# KiCad board sss-opr3-v1 (1).kicad_pcb
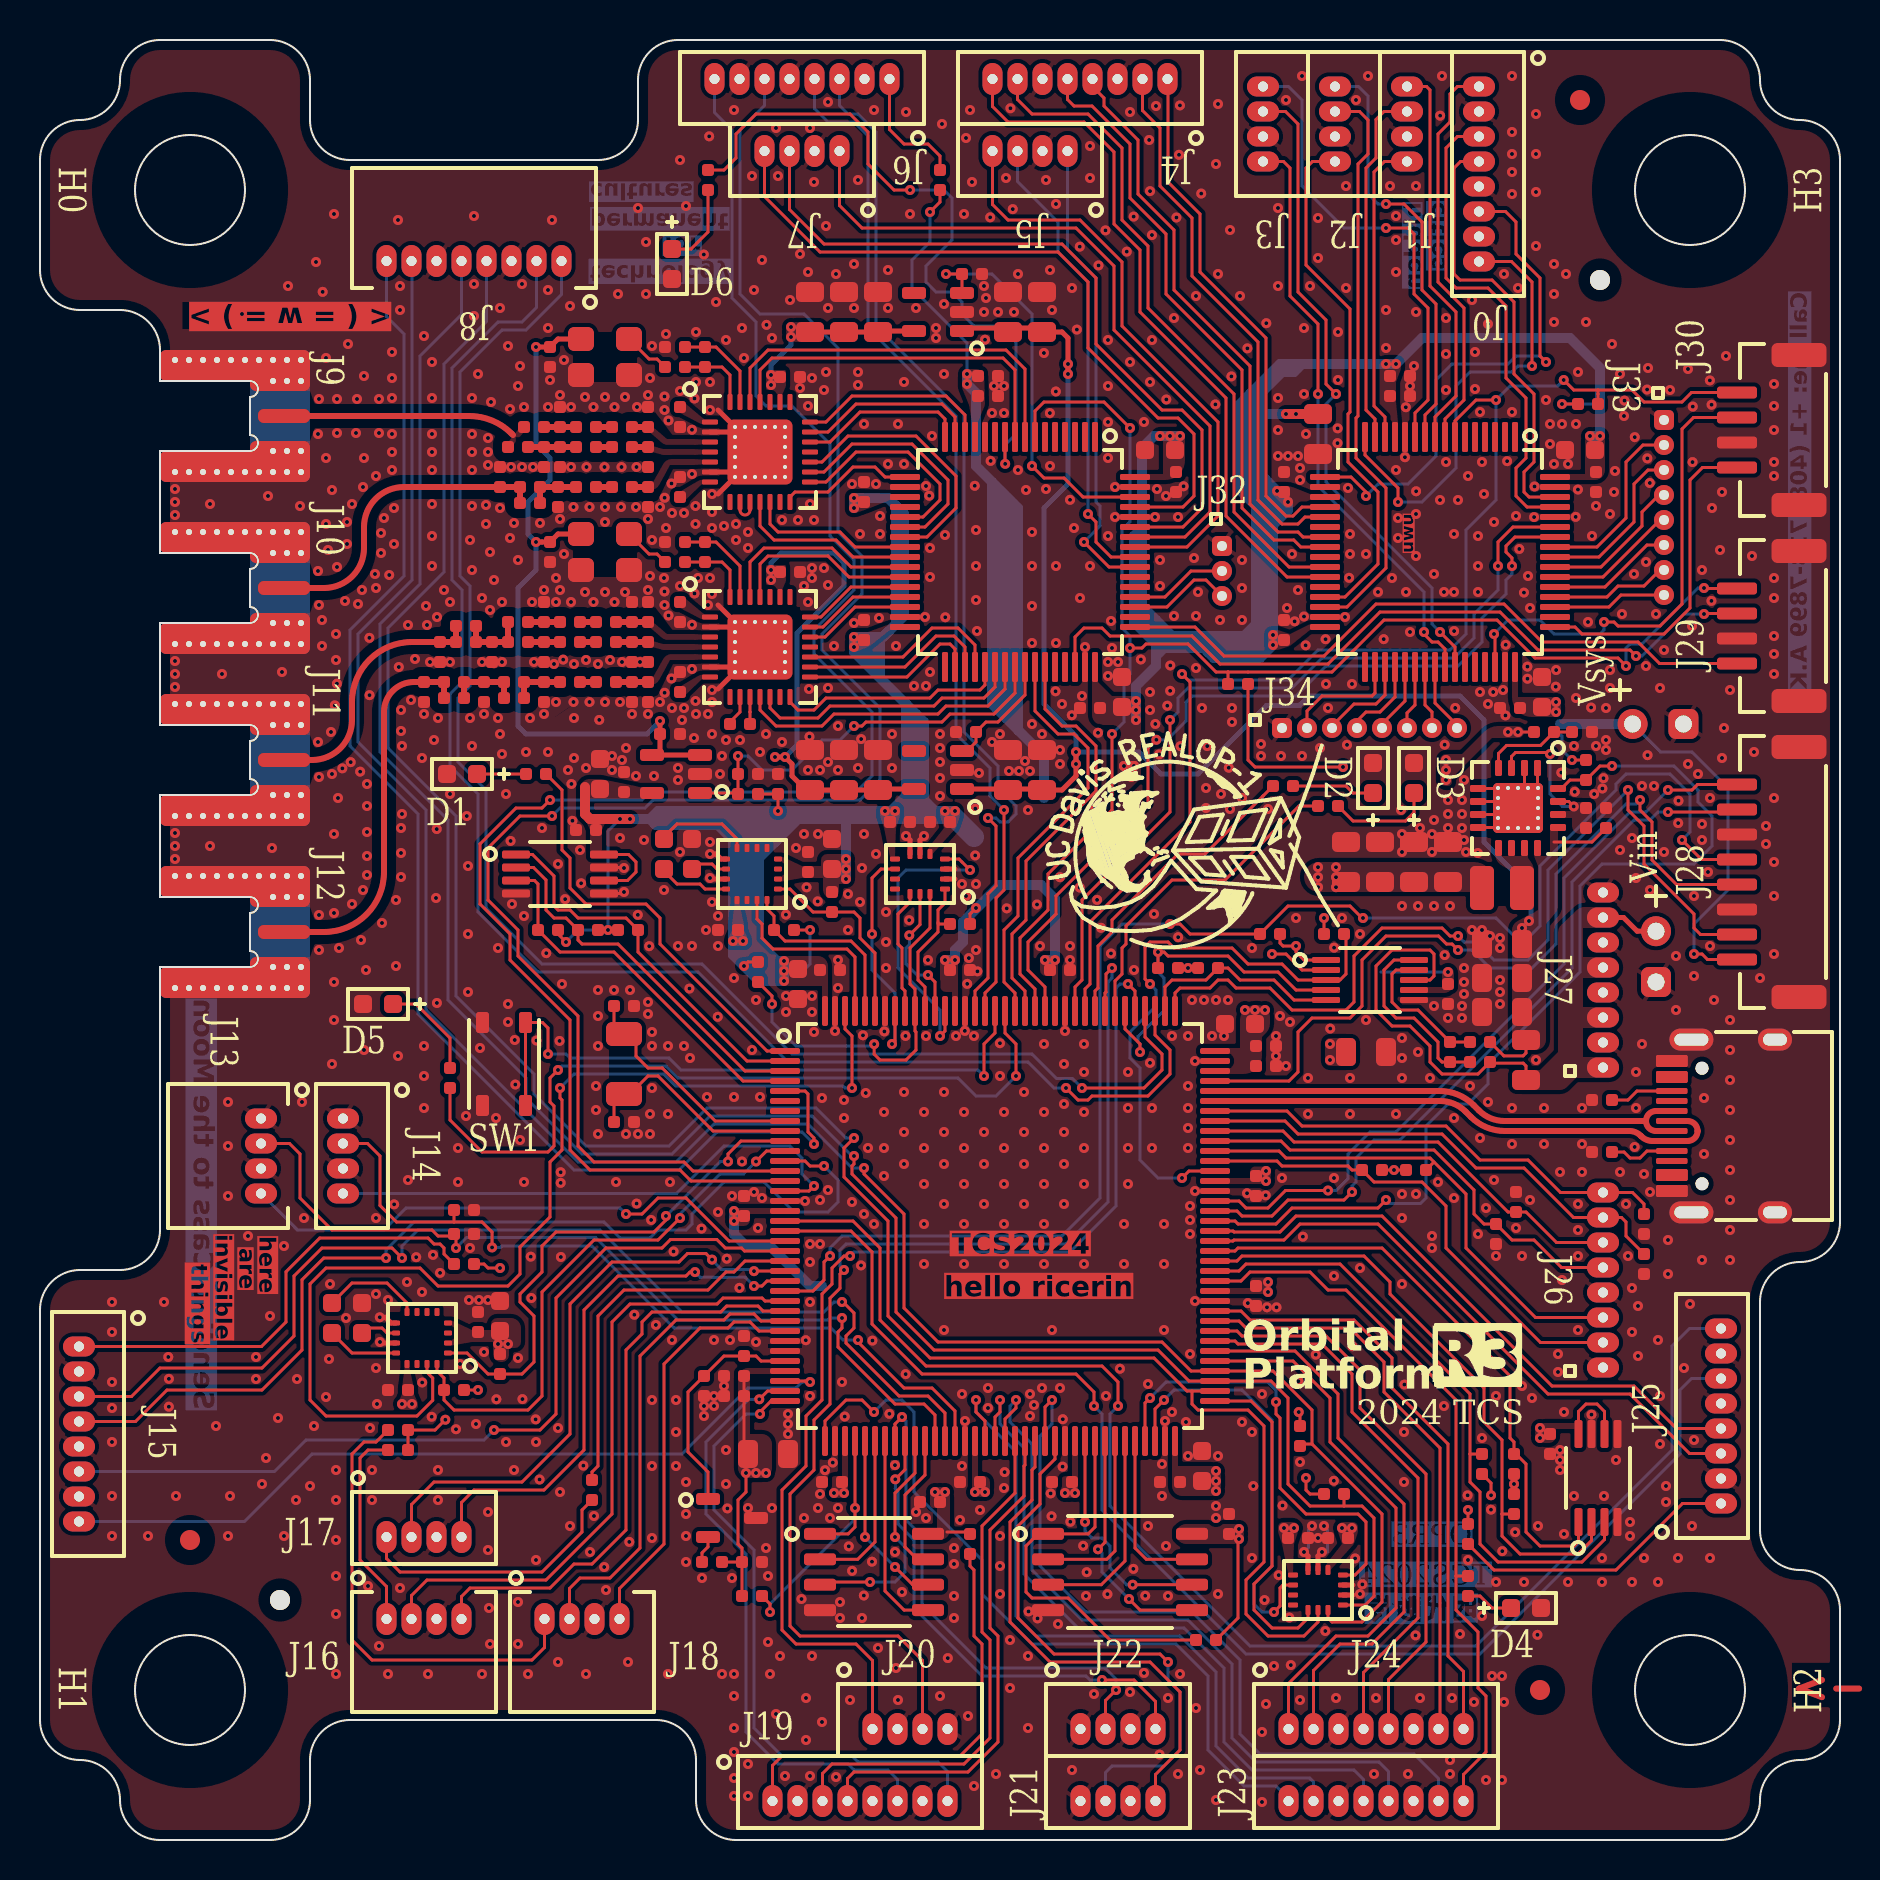
[diagram p0: board, top side]
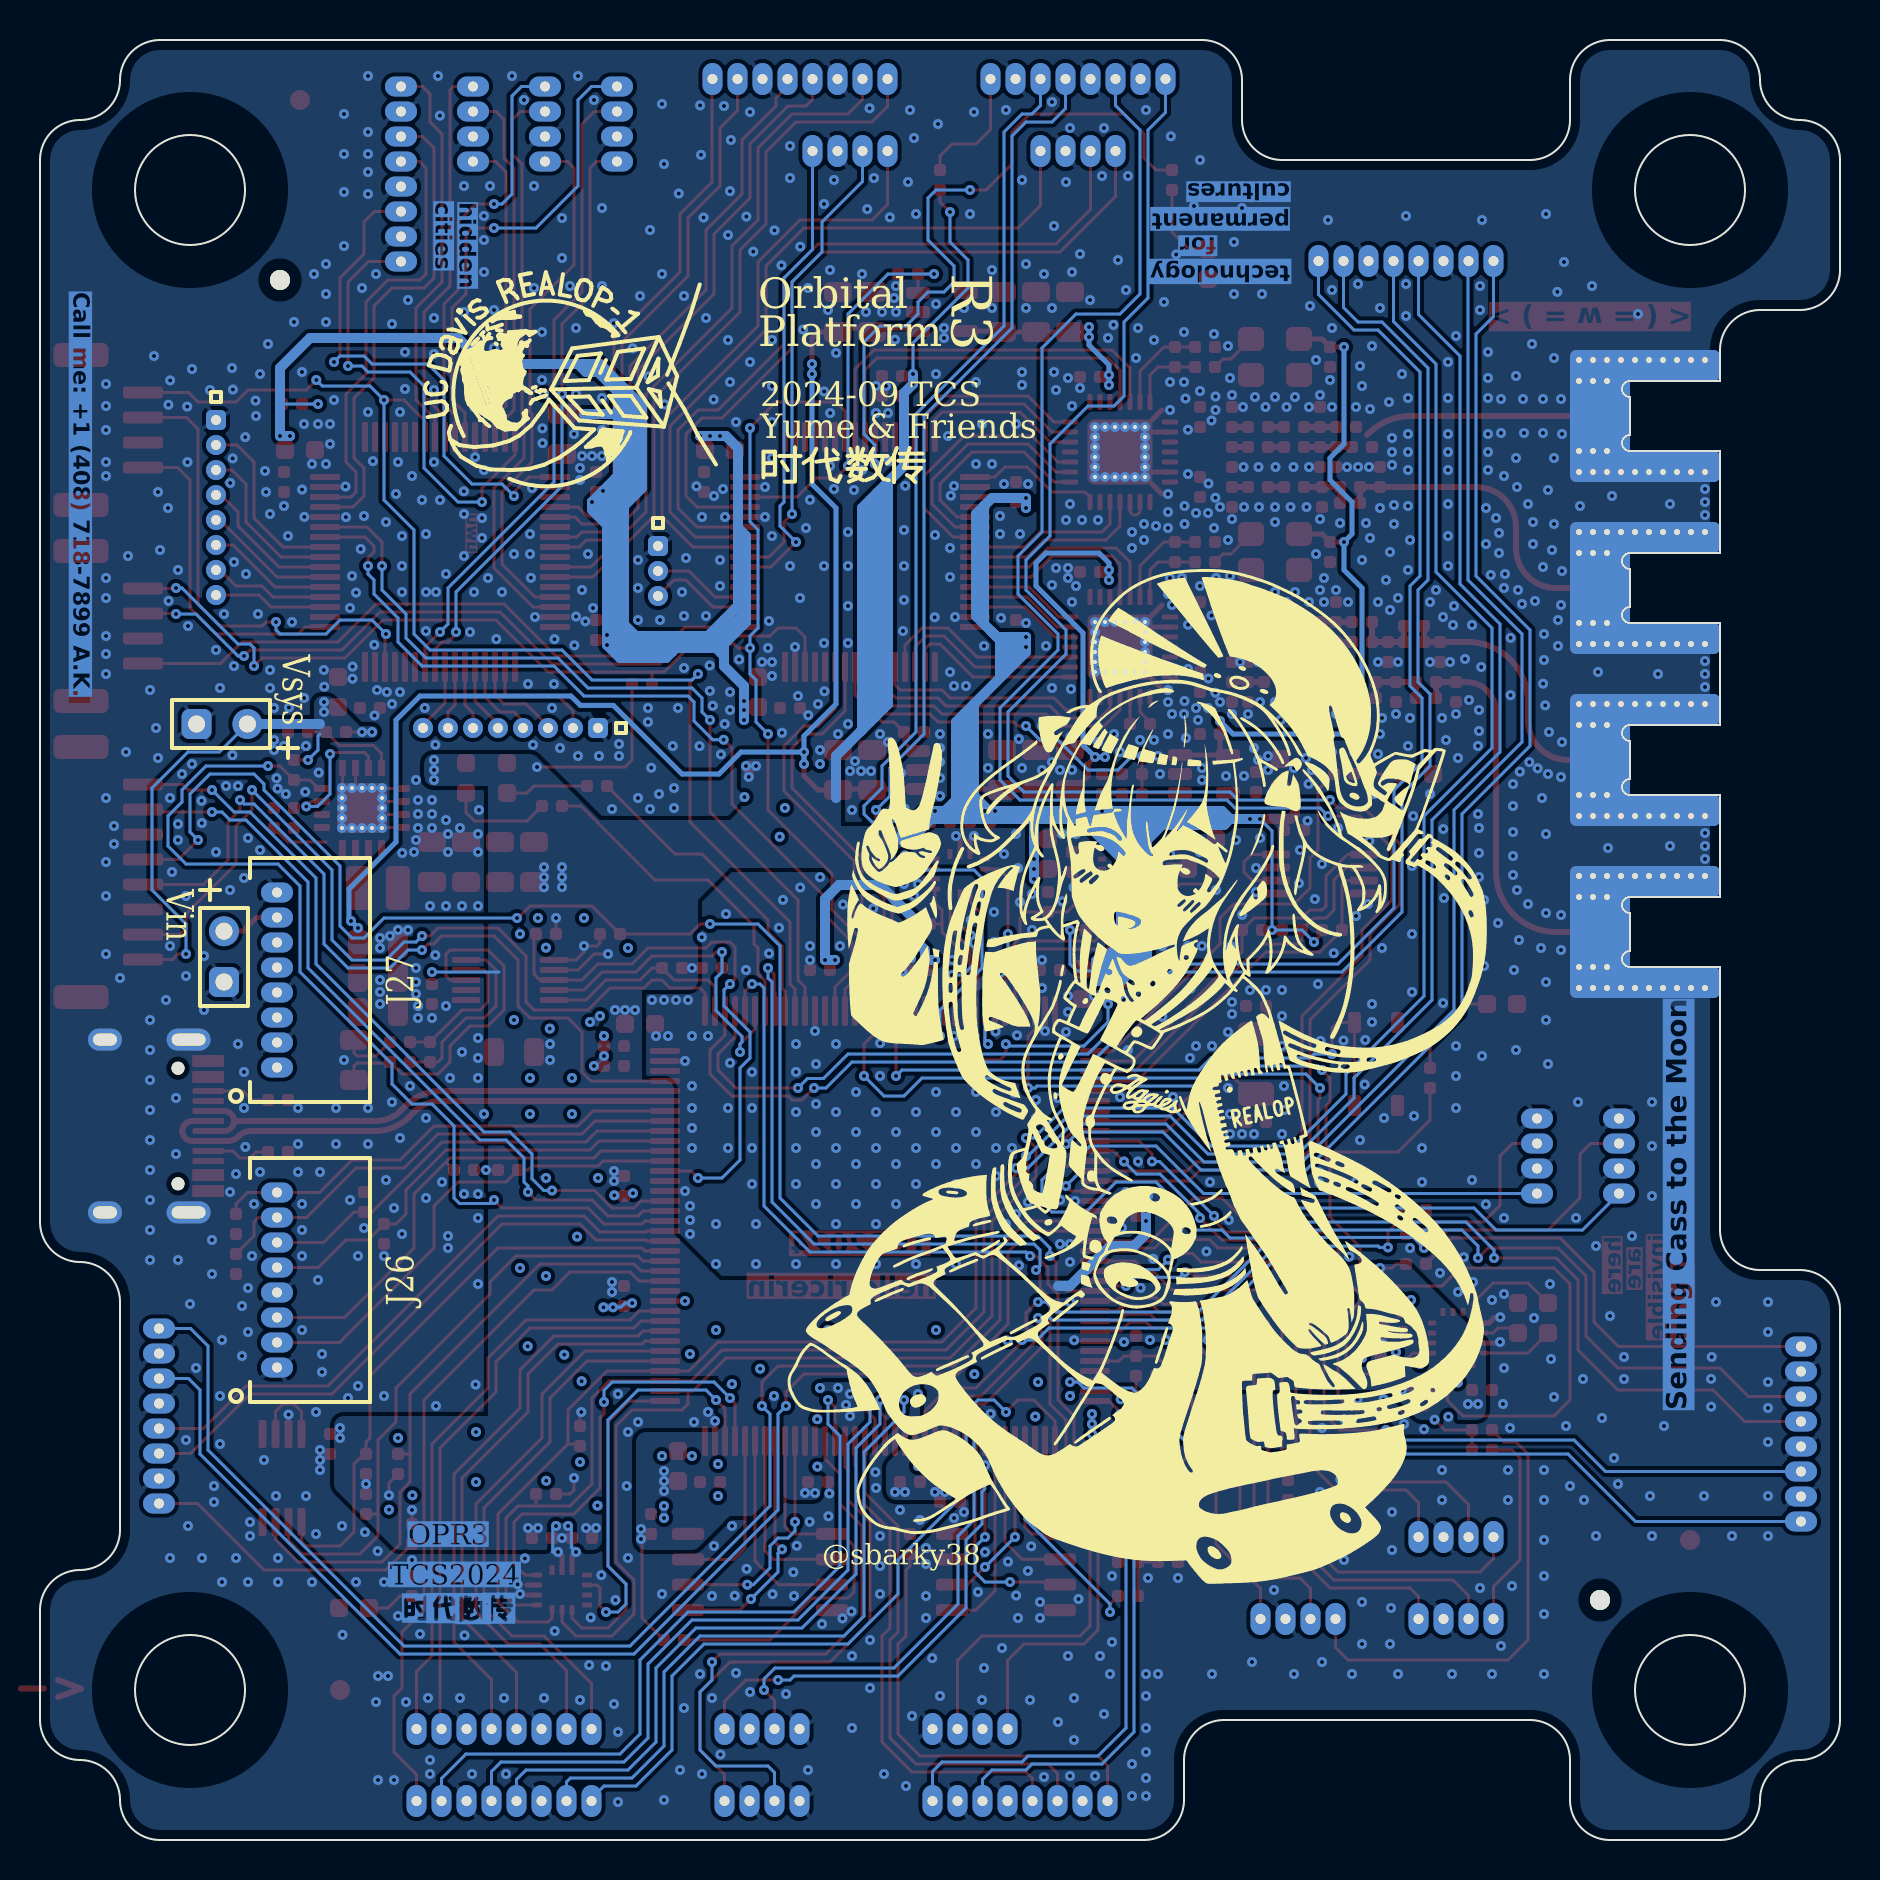
[diagram p1: board, bottom side, seen from below]

Outline 90 x 90 mm; copper layers: Top, In1.Cu, In2.Cu, Bottom. Coordinates in mm from the lower left corner of the outline.
Outline path: circle c7.5,82.5 r2.75 ; circle c7.5,7.5 r2.75 ; circle c82.5,82.5 r2.75 ; circle c82.5,7.5 r2.75 ; 6,74.5 arc(5.41,75.91) 4,76.5 2,76.5 arc(0.59,77.09) 0,78.5 0,84 arc(0.59,85.41) 2,86 arc(3.41,86.59) 4,88 arc(4.59,89.41) 6,90 11.5,90 arc(12.91,89.41) 13.5,88 13.5,86 arc(14.09,84.59) 15.5,84 27.9,84 arc(29.31,84.59) 29.9,86 29.9,88 arc(30.49,89.41) 31.9,90 84,90 arc(85.41,89.41) 86,88 arc(86.59,86.59) 88,86 arc(89.41,85.41) 90,84 90,30.9 arc(89.41,29.49) 88,28.9 arc(86.59,28.31) 86,26.9 86,15.5 arc(86.59,14.09) 88,13.5 arc(89.41,12.91) 90,11.5 90,6 arc(89.41,4.59) 88,4 arc(86.59,3.41) 86,2 arc(85.41,0.59) 84,0 34.8,0 arc(33.39,0.59) 32.8,2 32.8,4 arc(32.21,5.41) 30.8,6 15.5,6 arc(14.09,5.41) 13.5,4 13.5,2 arc(12.91,0.59) 11.5,0 6,0 arc(4.59,0.59) 4,2 arc(3.41,3.41) 2,4 arc(0.59,4.59) 0,6 0,26.5 arc(0.59,27.91) 2,28.5 4,28.5 arc(5.41,29.09) 6,30.5 6,42.1 ; 6,65.9 6,67.9 ; 6,57.3 6,59.3 ; 6,48.7 6,50.7
Stack: Top 0.035mm / dielectric 0.2104mm FR4 er 4.5 / In1.Cu 0.0152mm / dielectric 1.065mm FR4 er 4.5 / In2.Cu 0.0152mm / dielectric 0.2104mm FR4 er 4.5 / Bottom 0.035mm

## Placement (name value [footprint] x y rotation side)
C1  22uF  [Yu-C_0805_mil]  73.1 41.4 180 top
C2  22uF  [Yu-C_0805_mil]  73.1 43.1 180 top
C3  22uF  [Yu-C_0805_mil]  73.1 44.8 180 top
C4  100nF  [Yu-C_0402_mil]  77.8 51.6 0 top
C5  22uF  [Yu-C_0805_mil]  68.7 48.9 90 top
C6  22uF  [Yu-C_0805_mil]  70.4 48.9 90 top
C7  10pF  [Yu-C_0402_mil]  29.2 41.7 0 top
C8  10pF  [Yu-C_0402_mil]  29.2 35.9 0 top
C9  5.1pF  [Yu-C_0402_mil]  23.9 69.65 180 top
C10  5.6pF  [Yu-C_0402_mil]  23 68.15 270 top
C11  6.8pF  [Yu-C_0402_mil]  24.5 67.65 180 top
C12  11pF  [Yu-C_0402_mil]  26 71.15 90 top
C13  5.6pF  [Yu-C_0402_mil]  26 69.15 90 top
C14  5.6pF  [Yu-C_0402_mil]  25.9 67.15 90 top
C15  100nF  [Yu-C_0402_mil]  59.45 15.8 90 top
C16  220nF  [Yu-C_0603_mil]  31.2 49.3 90 top
C17  4.3pF  [Yu-C_0402_mil]  29.1 70.65 180 top
C18  4.3pF  [Yu-C_0402_mil]  29.1 69.65 180 top
C19  4.7uF  [Yu-C_0603_mil]  32.6 49.3 90 top
C20  4.3pF  [Yu-C_0402_mil]  29.1 67.65 180 top
C21  100nF  [Yu-C_0402_mil]  32 67.65 90 top
C22  100nF  [Yu-C_0402_mil]  34.4 45.5 180 top
C23  100nF  [Yu-C_0402_mil]  38.4 48.9 90 top
C24  4.7uF  [Yu-C_0603_mil]  39.6 49.3 90 top
C25  100nF  [Yu-C_0402_mil]  21.9 25.9 90 top
C26  100nF  [Yu-C_0402_mil]  17.9 22.5 180 top
C27  4.7uF  [Yu-C_0603_mil]  23 26.2 90 top
C28  1nF  [Yu-C_0402_mil]  31.75 73.65 180 top
C29  1nF  [Yu-C_0402_mil]  31.75 74.65 180 top
C30  100nF  [Yu-C_0402_mil]  25.5 74.15 90 top
C31  22uF  [Yu-C_0805_mil]  63.9 70.3 270 top
C32  100nF  [Yu-C_0402_mil]  70.5 39.4 90 top
C33  100nF  [Yu-C_0402_mil]  70.4 42.3 270 top
C34  22uF  [Yu-C_0805_mil]  66.3 39.4 0 top
C35  22uF  [Yu-C_0805_mil]  67 48.9 90 top
C36  22uF  [Yu-C_0805_mil]  65.3 48.9 90 top
C37  22uF  [Yu-C_0805_mil]  38.5 76.4 90 top
C38  22uF  [Yu-C_0805_mil]  40.2 76.4 90 top
C39  22uF  [Yu-C_0805_mil]  41.9 76.4 90 top
C40  22uF  [Yu-C_0805_mil]  48.4 76.4 90 top
C41  22uF  [Yu-C_0805_mil]  50.1 76.4 90 top
C42  1uF  [Yu-C_0402_mil]  35.6 13.9 0 top
C43  100nF  [Yu-C_0402_mil]  44.5 16.9 180 top
C44  4.7uF  [Yu-C_0603_mil]  58.1 18.7 90 top
C45  100nF  [Yu-C_0402_mil]  51 43.5 0 top
C46  100nF  [Yu-C_0402_mil]  46 43.5 0 top
C47  100nF  [Yu-C_0402_mil]  61.3 38.7 0 top
C48  100nF  [Yu-C_0402_mil]  35.2 31.7 90 top
C49  100nF  [Yu-C_0402_mil]  39.6 17.9 180 top
C50  100nF  [Yu-C_0402_mil]  46.5 17.9 180 top
C51  100nF  [Yu-C_0402_mil]  51.1 17.9 180 top
C52  100nF  [Yu-C_0402_mil]  56.5 17.9 180 top
C53  100nF  [Yu-C_0402_mil]  60.8 27.2 270 top
C54  100nF  [Yu-C_0402_mil]  60.8 32.7 270 top
C55  100nF  [Yu-C_0402_mil]  39.5 43.5 0 top
C56  100nF  [Yu-C_0402_mil]  61.3 39.7 0 top
C57  1uF  [Yu-C_0402_mil]  34.7 22.2 180 top
C58  10nF  [Yu-C_0402_mil]  34.7 23.2 180 top
C59  100nF  [Yu-C_0402_mil]  35.2 24.7 90 top
C60  1uF  [Yu-C_0402_mil]  33.2 22.7 270 top
C61  4.7uF  [Yu-C_0603_mil]  60 40.8 180 top
C62  22uF  [Yu-C_0805_mil]  36.4 19.3 0 top
C63  220nF  [Yu-C_0603_mil]  14.6 26.1 90 top
C64  4.7uF  [Yu-C_0603_mil]  16.1 26.1 90 top
C65  100nF  [Yu-C_0402_mil]  64.9 15.1 180 top
C66  100nF  [Yu-C_0402_mil]  62.9 15.1 0 top
C67  100nF  [Yu-C_0402_mil]  45 50.9 180 top
C68  100nF  [Yu-C_0402_mil]  43 50.9 0 top
C69  4.7uF  [Yu-C_0603_mil]  37.9 42.8 270 top
C70  100nF  [Yu-C_0402_mil]  52.5 56.6 180 top
C71  1uF  [Yu-C_0402_mil]  37.5 73.15 0 top
C72  100nF  [Yu-C_0402_mil]  41.2 67.4 90 top
C73  100nF  [Yu-C_0402_mil]  41.2 60.5 90 top
C74  100nF  [Yu-C_0402_mil]  56.8 67.9 270 top
C75  1uF  [Yu-C_0402_mil]  47.4 73.2 0 top
C76  10nF  [Yu-C_0402_mil]  47.4 72.2 0 top
C77  1nF  [Yu-C_0402_mil]  31.75 63.9 180 top
C78  1nF  [Yu-C_0402_mil]  31.75 64.9 180 top
C79  100nF  [Yu-C_0402_mil]  25.5 64.4 90 top
C80  4.7uF  [Yu-C_0603_mil]  54.1 57.4 90 top
C81  1uF  [Yu-C_0402_mil]  37.5 63.4 0 top
C82  100nF  [Yu-C_0402_mil]  32 71.15 270 top
C83  100nF  [Yu-C_0402_mil]  32 61.4 270 top
C84  100nF  [Yu-C_0402_mil]  32 57.9 90 top
C85  4.7uF  [Yu-C_0603_mil]  56 69.5 180 top
C86  12pF  [Yu-C_0402_mil]  23.9 59.9 180 top
C87  12pF  [Yu-C_0402_mil]  25.2 61.4 90 top
C88  27pF  [Yu-C_0402_mil]  22.6 59.4 270 top
C89  10pF  [Yu-C_0402_mil]  28.3 60.9 180 top
C90  10pF  [Yu-C_0402_mil]  28.3 59.9 180 top
C91  10pF  [Yu-C_0402_mil]  29.6 59.4 270 top
C92  10pF  [Yu-C_0402_mil]  29.6 61.4 270 top
C93  27pF  [Yu-C_0402_mil]  20 59.4 270 top
C94  6.8pF  [Yu-C_0402_mil]  21.3 59.9 180 top
C95  2.2pF  [Yu-C_0402_mil]  29.6 57.4 270 top
C96  22pF  [Yu-C_0402_mil]  28.3 57.9 180 top
C97  4.7pF  [Yu-C_0402_mil]  23.7 57.9 180 top
C98  1.8pF  [Yu-C_0402_mil]  20.7 57.9 180 top
C99  33pF  [Yu-C_0402_mil]  25.2 57.4 270 top
C100  47pF  [Yu-C_0402_mil]  22.2 57.4 270 top
C101  15pF  [Yu-C_0402_mil]  19.2 57.4 270 top
C102  4.7uF  [Yu-C_0603_mil]  28 53.3 90 top
C103  100nF  [Yu-C_0402_mil]  29.2 52.9 90 top
C104  100nF  [Yu-C_0402_mil]  31.5 55.3 180 top
C105  100nF  [Yu-C_0402_mil]  36.9 52.8 90 top
C106  22uF  [Yu-C_0805_mil]  48.4 53.5 90 top
C107  22uF  [Yu-C_0805_mil]  50.1 53.5 90 top
C108  22uF  [Yu-C_0805_mil]  38.5 53.5 90 top
C109  22uF  [Yu-C_0805_mil]  40.2 53.5 90 top
C110  22uF  [Yu-C_0805_mil]  41.9 53.5 90 top
C111  1uF  [Yu-C_0402_mil]  68 73.2 0 top
C112  10nF  [Yu-C_0402_mil]  68 72.2 0 top
C113  100nF  [Yu-C_0402_mil]  77.8 67.9 270 top
C114  100nF  [Yu-C_0402_mil]  62.2 67.9 90 top
C115  100nF  [Yu-C_0402_mil]  62.2 60.5 90 top
C116  100nF  [Yu-C_0402_mil]  73.5 56.6 180 top
C117  4.7uF  [Yu-C_0603_mil]  75.1 57.4 90 top
C118  4.7uF  [Yu-C_0603_mil]  77 69.5 180 top
C119  100nF  [Yu-C_0402_mil]  27.3 50.5 180 top
C120  100nF  [Yu-C_0402_mil]  75.5 19.8 270 top
D1  led-red  [Yu-LED_0603_mil]  21.1 53.3 0 top
D2  led-green  [Yu-LED_0603_mil]  66.65 53.1 270 top
D3  led-blue  [Yu-LED_0603_mil]  68.7 53.1 270 top
D4  led-white  [Yu-LED_0603_mil]  74.3 11.6 180 top
D5  led-iceblue  [Yu-LED_0603_mil]  16.9 41.8 0 top
D6  led-yellow  [Yu-LED_0603_mil]  31.6 78.8 90 top
J0  ~  [Yu-Molex-Picoblade-530470810-1x08-1.25-THM-V]  72.4 83.3 270 top
J1  ~  [Yu-Molex-Picoblade-530470410-1x04-1.25-THM-V]  68.8 85.8 270 top
J2  ~  [Yu-Molex-Picoblade-530470410-1x04-1.25-THM-V]  65.2 85.8 270 top
J3  ~  [Yu-Molex-Picoblade-530470410-1x04-1.25-THM-V]  61.6 85.8 270 top
J4  ~  [Yu-Molex-Picoblade-530470810-1x08-1.25-THM-V]  52 87.6 180 top
J5  ~  [Yu-Molex-Picoblade-530470410-1x04-1.25-THM-V]  49.5 84 180 top
J6  ~  [Yu-Molex-Picoblade-530470810-1x08-1.25-THM-V]  38.1 87.6 180 top
J7  ~  [Yu-Molex-Picoblade-530470410-1x04-1.25-THM-V]  38.1 84 180 top
J8  ~  [Yu-Molex-Picoblade-530480810-1x08-1.25-THM-H]  21.7 80.6 180 top
J9  MMCX  [Yu-MMCX-EM]  10.5 71.2 180 top
J10  MMCX  [Yu-MMCX-EM]  10.5 62.6 180 top
J11  MMCX  [Yu-MMCX-EM]  10.5 54 180 top
J12  MMCX  [Yu-MMCX-EM]  10.5 45.4 180 top
J13  ~  [Yu-Molex-Picoblade-530480410-1x04-1.25-THM-H]  9.4 34.2 270 top
J14  ~  [Yu-Molex-Picoblade-530470410-1x04-1.25-THM-V]  15.6 34.2 270 top
J15  ~  [Yu-Molex-Picoblade-530470810-1x08-1.25-THM-V]  2.4 20.3 270 top
J16  ~  [Yu-Molex-Picoblade-530480410-1x04-1.25-THM-H]  19.2 9.4 0 top
J17  ~  [Yu-Molex-Picoblade-530470410-1x04-1.25-THM-V]  19.2 15.6 0 top
J18  ~  [Yu-Molex-Picoblade-530480410-1x04-1.25-THM-H]  27.1 9.4 0 top
J19  ~  [Yu-Molex-Picoblade-530470810-1x08-1.25-THM-V]  41 2.4 0 top
J20  ~  [Yu-Molex-Picoblade-530470410-1x04-1.25-THM-V]  43.5 6 0 top
J21  ~  [Yu-Molex-Picoblade-530470410-1x04-1.25-THM-V]  53.9 2.4 0 top
J22  ~  [Yu-Molex-Picoblade-530470410-1x04-1.25-THM-V]  53.9 6 0 top
J23  ~  [Yu-Molex-Picoblade-530470810-1x08-1.25-THM-V]  66.8 2.4 0 top
J24  ~  [Yu-Molex-Picoblade-530470810-1x08-1.25-THM-V]  66.8 6 0 top
J25  ~  [Yu-Molex-Picoblade-530470810-1x08-1.25-THM-V]  83.6 21.2 90 top
J26  ~  [Yu-Molex-Picoblade-530480810-1x08-1.25-THM-H]  76.5 28 90 bottom
J27  ~  [Yu-Molex-Picoblade-530480810-1x08-1.25-THM-H]  76.5 43 90 bottom
J28  ~  [Yu-JST-GH-SM08B-GHS-TB-1x08-1.25-SMD-H]  86.7 48.4 90 top
J29  ~  [Yu-JST-GH-SM04B-GHS-TB-1x04-1.25-SMD-H]  86.7 60.7 90 top
J30  ~  [Yu-JST-GH-SM04B-GHS-TB-1x04-1.25-SMD-H]  86.7 70.5 90 top
J32  ~  [Yu-Pin-1x03-1.25-1-0.5-1]  59.1 64.7 0 top
J33  ~  [Yu-Pin-1x08-1.25-1-0.5-1]  81.2 71 0 top
J34  ~  [Yu-Pin-1x08-1.25-1-0.5-1#2]  62.1 55.6 90 top
J36  ~  [Yu-Pin-1x02-2.54-1.5-0.85-1]  82.17 55.8 270 top
J37  ~  [Yu-Pin-1x02-2.54-1.5-0.85-1]  80.8 42.9 180 top
J38  USB_C_Receptacle_USB2.0_16P  [Yu-USB_C_Receptacle_HRO_TYPE-C-31-M-12]  85.7 35.7 90 top
L1  2.2uH  [Yu-L_1008_mil]  73.1 47.6 180 top
L2  27nH  [Yu-L_0402_mil]  25.2 69.15 270 top
L3  27nH  [Yu-L_0402_mil]  24.7 70.65 180 top
L4  4.7nH  [Yu-L_0402_mil]  24.5 66.85 180 top
L5  43nH  [Yu-L_0402_mil]  27.3 70.65 0 top
L6  43nH  [Yu-L_0402_mil]  27.3 69.65 0 top
L8  43nH  [Yu-L_0402_mil]  27.3 67.65 0 top
L9  100nH  [Yu-L_0402_mil]  30.4 71.15 270 top
L10  100nH  [Yu-L_0402_mil]  30.4 69.15 270 top
L11  100nH  [Yu-L_0402_mil]  30.4 67.15 270 top
L12  68nH  [Yu-L_0402_mil]  25.2 59.4 270 top
L13  68nH  [Yu-L_0402_mil]  23.9 60.9 180 top
L14  120nH  [Yu-L_0402_mil]  26.5 60.9 0 top
L15  120nH  [Yu-L_0402_mil]  26.5 59.9 0 top
L16  150nH  [Yu-L_0402_mil]  30.4 61.4 270 top
L17  150nH  [Yu-L_0402_mil]  30.4 59.4 270 top
L18  30nH  [Yu-L_0402_mil]  21.3 60.7 180 top
L19  22nH  [Yu-L_0402_mil]  35 55.8 0 top
L20  150nH  [Yu-L_0402_mil]  30.4 57.4 270 top
L21  120nH  [Yu-L_0402_mil]  26.5 57.9 0 top
L22  39nH  [Yu-L_0402_mil]  23.7 57.1 180 top
L23  47nH  [Yu-L_0402_mil]  20.7 57.1 180 top
NOREF  -  [fc0a18ba-eec4-4a20-b076-75cbd92b11e0]  77 87 0 top
NOREF#2  -  [cb9771c7-7d4a-45cf-825c-c5c4a2671b33]  32.5 72.55 0 top
NOREF#3  -  [543498f4-1a37-48e4-abc0-7b330756df51]  46.85 74.58 0 top
NOREF#4  -  [cb9771c7-7d4a-45cf-825c-c5c4a2671b33]  32.5 62.8 0 top
NOREF#5  -  [543498f4-1a37-48e4-abc0-7b330756df51]  46.75 51.65 0 top
NOREF#6  -  [fc0a18ba-eec4-4a20-b076-75cbd92b11e0]  7.5 15 0 top
NOREF#7  -  [fc0a18ba-eec4-4a20-b076-75cbd92b11e0]  75 7.5 0 top
NOREF#8  -  [REALOP_silkscreen_r2]  35.15 38.2 180 bottom
R1  100k  [Yu-R_0402_mil]  75.2 55.4 180 top
R2  22k  [Yu-R_0402_mil]  77.1 55.4 180 top
R3  10k  [Yu-R_0402_mil]  24.8 53.3 0 top
R4  3.3k  [Yu-R_0402_mil]  39.6 46.9 90 top
R5  1k  [Yu-R_0402_mil]  33.25 74.15 90 top
R6  10  [Yu-R_0402_mil]  77.8 50.6 0 top
R7  1k  [Yu-R_0402_mil]  33.25 64.4 90 top
R8  47  [Yu-R_0402_mil]  45 83 270 top
R9  3.3k  [Yu-R_0402_mil]  37.2 45.5 0 top
R10  3.3k  [Yu-R_0402_mil]  23 23.8 90 top
R11  3.3k  [Yu-R_0402_mil]  20.7 22.5 0 top
R12  5.1k  [Yu-R_0402_mil]  78.1 34.4 180 top
R13  5.1k  [Yu-R_0402_mil]  78.1 37 180 top
R14  100m  [Yu-R_0805_mil]  74.3 39 90 top
R15  2.2  [Yu-R_0402_mil]  72 39.9 180 top
R16  3.3k  [Yu-R_0402_mil]  35.4 52.3 180 top
R17  18k  [Yu-R_0402_mil]  35.4 53.3 0 top
R18  10k  [Yu-R_0402_mil]  46.6 78.3 180 top
R19  10k  [Yu-R_0402_mil]  33.6 13.9 0 top
R20  10k  [Yu-R_0402_mil]  46.3 55.4 0 top
R21  47  [Yu-R_0402_mil]  21.2 28.8 0 top
R22  47  [Yu-R_0402_mil]  46.5 14.8 90 top
R23  47  [Yu-R_0402_mil]  71.4 15.3 90 top
R24  47  [Yu-R_0402_mil]  17.9 20.5 0 top
R25  3.3k  [Yu-R_0402_mil]  25.4 45.5 0 top
R26  47  [Yu-R_0402_mil]  17.9 19.5 0 top
R27  3.3k  [Yu-R_0402_mil]  29.4 45.5 180 top
R28  2.2  [Yu-R_0402_mil]  72 38.9 180 top
R29  3.3k  [Yu-R_0402_mil]  58.4 43.6 180 top
R30  3.3k  [Yu-R_0402_mil]  56.4 43.6 0 top
R31  3.3k  [Yu-R_0402_mil]  64.7 45.3 180 top
R32  3.3k  [Yu-R_0402_mil]  27.4 45.5 0 top
R33  3.3k  [Yu-R_0402_mil]  66.6 33.5 0 top
R34  3.3k  [Yu-R_0402_mil]  68.8 33.5 180 top
R35  1k  [Yu-R_0402_mil]  27.6 17.5 270 top
R36  3.3k  [Yu-R_0402_mil]  73.7 16.8 90 top
R37  3.3k  [Yu-R_0402_mil]  73.7 18.8 270 top
R38  3.3k  [Yu-R_0402_mil]  72.1 18.8 270 top
R39  10k  [Yu-R_0402_mil]  80.2 28.8 90 top
R40  10k  [Yu-R_0402_mil]  80.2 30.8 90 top
R41  10k  [Yu-R_0402_mil]  73.8 31.9 270 top
R42  10k  [Yu-R_0402_mil]  72.8 30.3 90 top
R43  10k  [Yu-R_0402_mil]  21.2 31.5 180 top
R44  10k  [Yu-R_0402_mil]  21.2 30.3 180 top
R45  10k  [Yu-R_0402_mil]  62.15 52.7 180 top
R46  10k  [Yu-R_0402_mil]  64.4 51.7 180 top
R47  10k  [Yu-R_0402_mil]  71.4 12.7 90 top
R48  10k  [Yu-R_0402_mil]  33.4 83 90 top
R49  10k  [Yu-R_0402_mil]  20.5 38.1 270 top
R50  10k  [Yu-R_0402_mil]  59.9 57.8 0 top
R51  10k  [Yu-R_0402_mil]  61.5 45.3 0 top
R52  10k  [Yu-R_0402_mil]  77.4 71.8 180 top
R53  10k  [Yu-R_0402_mil]  58.3 10 0 top
R54  10k  [Yu-R_0402_mil]  35.6 12.2 180 top
R55  10k  [Yu-R_0402_mil]  63 20.2 90 top
R56  10k  [Yu-R_0402_mil]  64.7 17.3 180 top
R57  10k  [Yu-R_0402_mil]  46 45.8 0 top
R58  10k  [Yu-R_0402_mil]  35.9 43.4 90 top
R59  22k  [Yu-R_0402_mil]  77.3 53.5 270 top
REF**  -  [Yu-Fudicial-JLCSMT-Tooling]  12 12 0 top
REF**#2  -  [Yu-Fudicial-JLCSMT-Tooling]  78 78 180 top
SW1  SW-SPST  [Yu-SW-SKRP]  23.2 38.8 270 top
U1  ADP2118  [Yu-QFN-16-4x4-0.65-EP-2.5x2.5]  73.9 51.6 270 top
U2  STM32L476ZGTx  [Yu-QFP-144-20x20-0.5]  48 30.7 0 top
U3  ~  [Yu-LGA-14-3x2.5-0.5]  63.9 12.5 180 top
U4  QMC5883L  [Yu-LGA-16-3x3-0.5]  35.6 48.3 180 top
U5  ~  [Yu-LGA-14-3x2.5-0.5]  44 48.3 180 top